# Altium PCB ALCT_MEZ_SPARTAN6T.PcbDoc (part 6 of 12)
Units mil, origin at the board's own origin, x right, y up, seen from the top; angles counter-clockwise.
Board outline 4100 x 5351.19 mil, 12 copper layers (Top Layer, Mid-Layer 1, +3V3, Mid-Layer 2, +1V2, Mid-Layer 4, +1V8, Mid-Layer 5, GND1, Mid-Layer 7, GND2, Bottom Layer), stack 64.7 mil thick; 320 components, 598 nets, 2316 pads, 1572 vias.
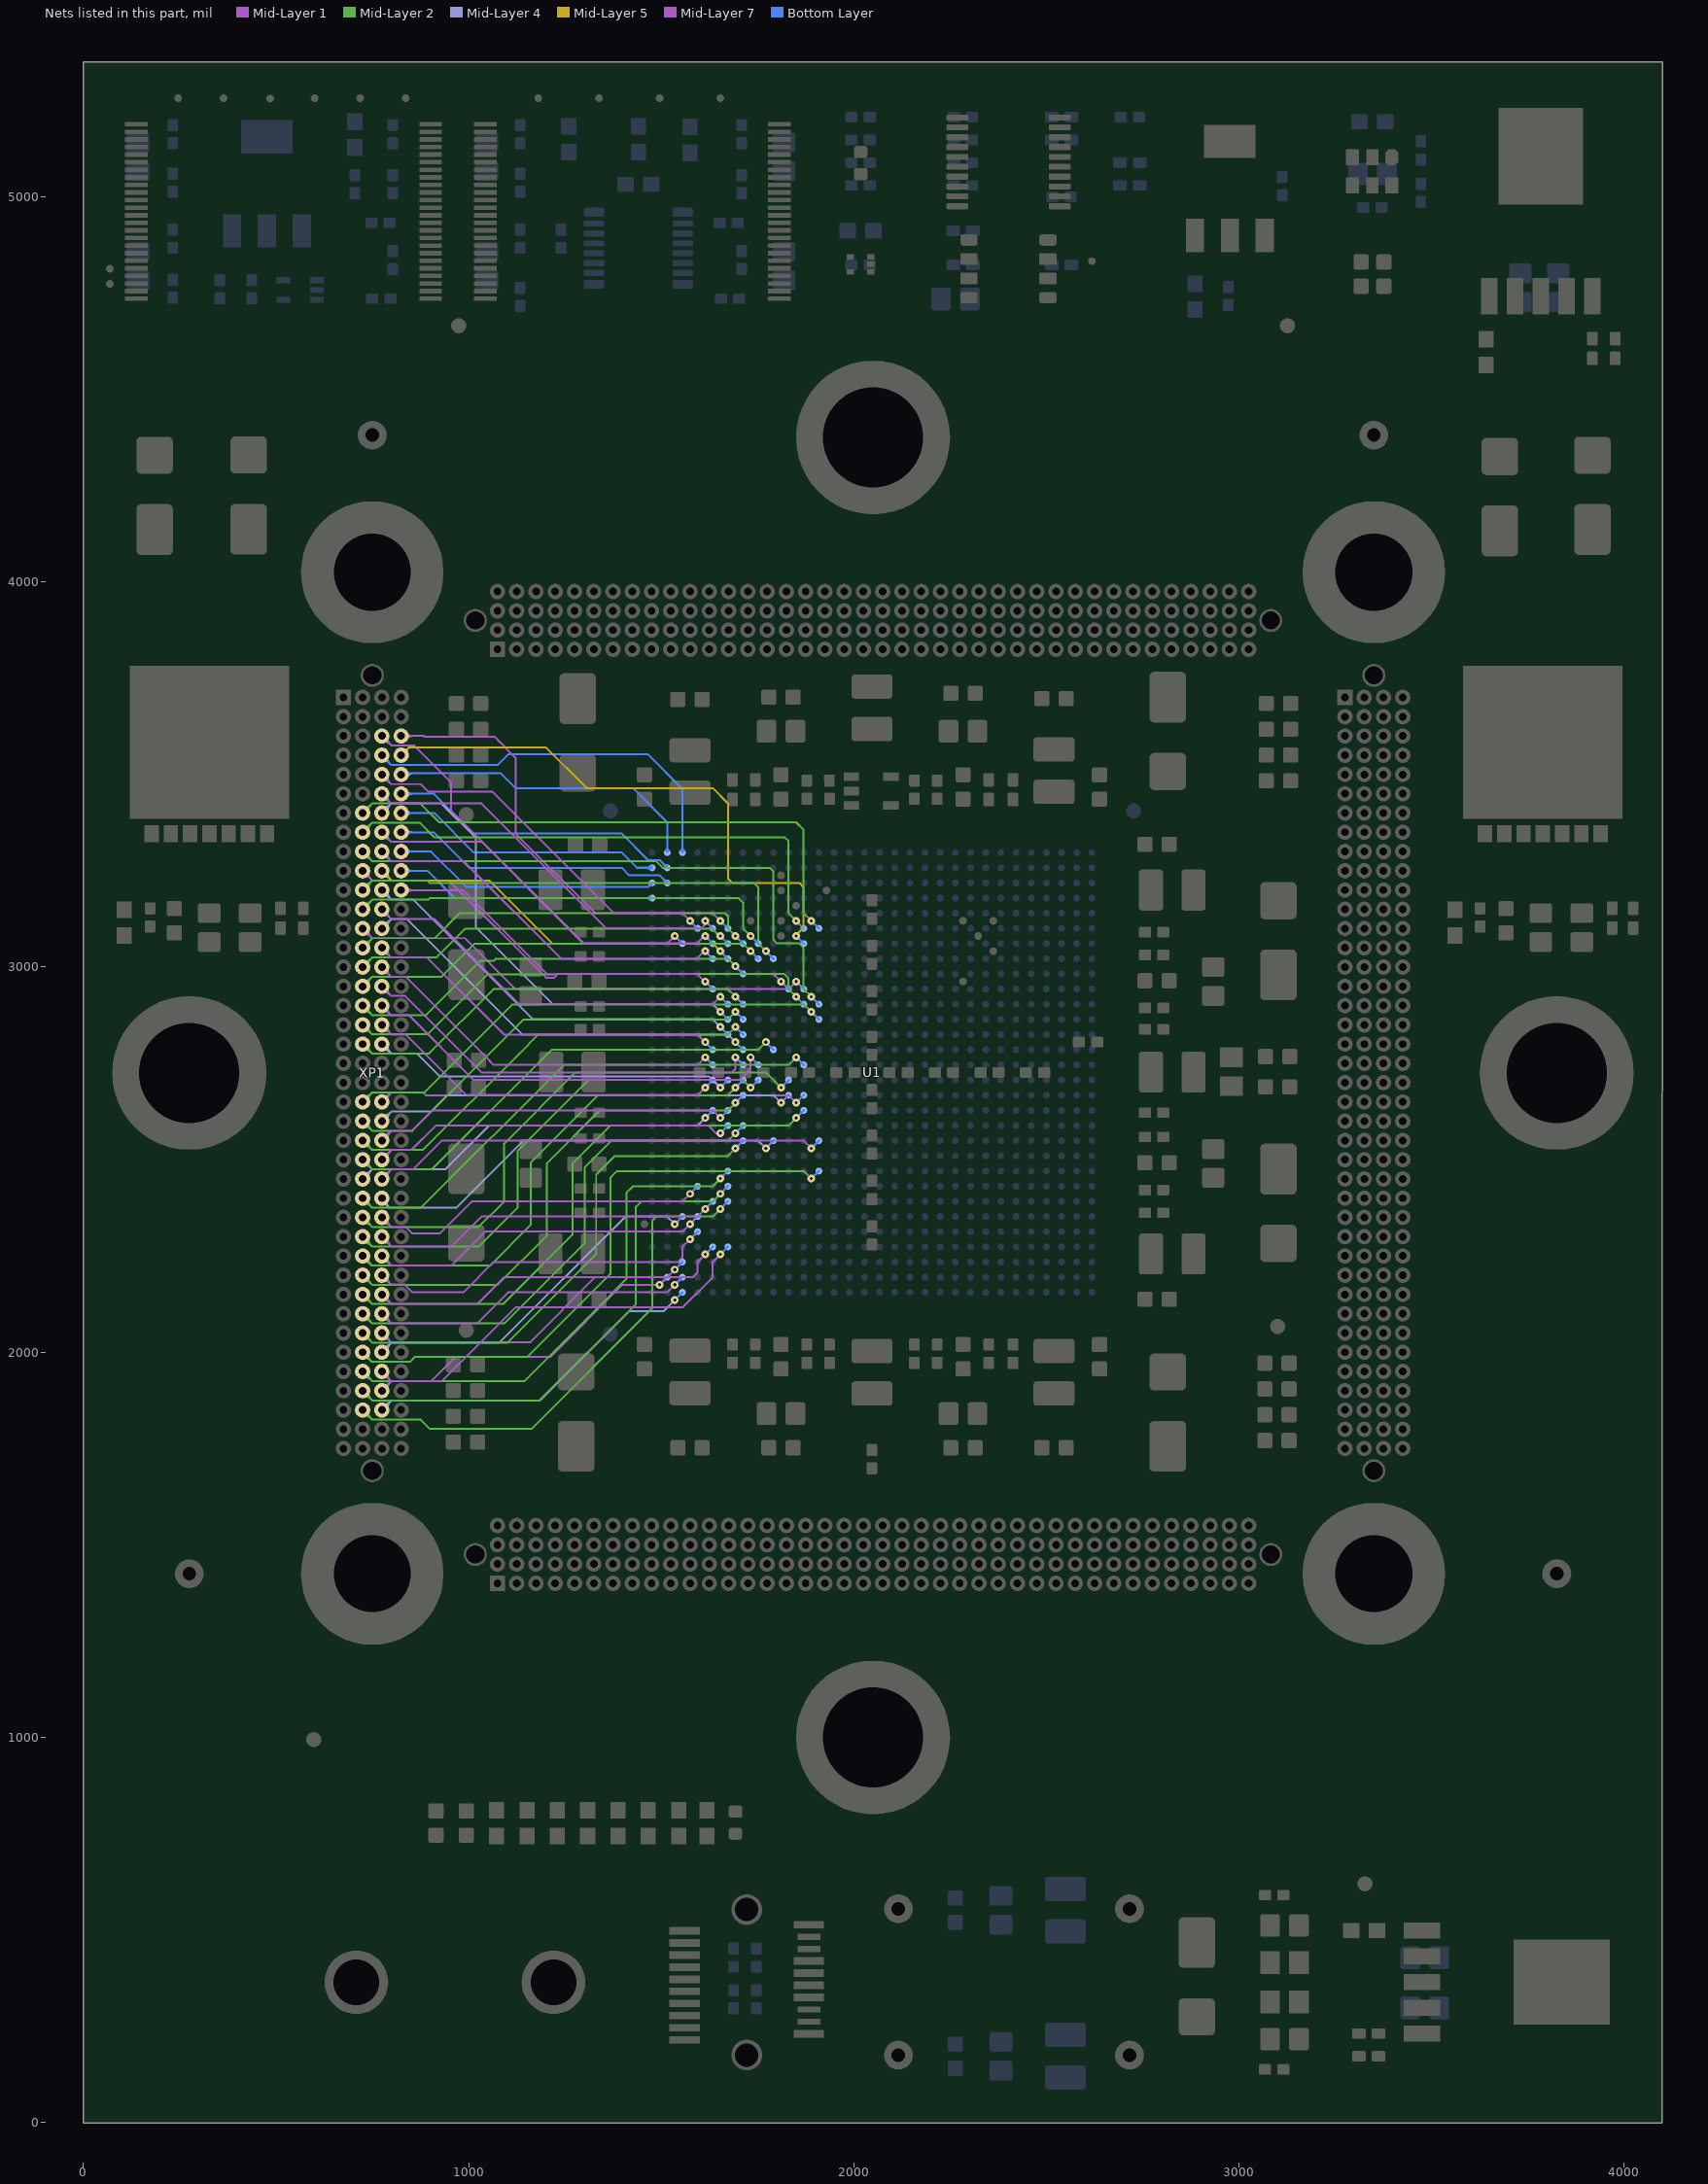
[diagram p16: the nets of this part, all layers, seen from the top]

## Via types
v1: diameter 20, hole 8, Top Layer to Bottom Layer, tented both sides, 1562 vias
v2: diameter 40, hole 20, Top Layer to Bottom Layer, 6 vias
v3: diameter 40, hole 20, Top Layer to Bottom Layer, tented both sides, 4 vias

## Nets (pads, with @x,y where several pads share a name; then routed paths per layer and width w, separated by ;. In a path a pad name is that pad's centre, name@x,y a point inside that pad or via, vN(x,y) a via of type N, cw(c..) or ccw(c..) an arc to the next point about the centre after c; other vN are vias at no path point) (continued)
XP1B_7: U1.W25 XP1.B7 | length 1623.8
  Mid-Layer 2 w5: XP1.B7@725,3408.5 ccw(c725,3429.02) 739.51,3414.51 ; XP1.B7@725,3413.5 ccw(c725,3446.09) 748.04,3423.04 ccw(c771.09,3400) XP1.B7@738.5,3400 ; XP1.B7@725,3400 750,3425 874.98,3425 924,3375.98 1850.39,3375.98 1869.91,3356.47 1869.91,3139.93 v1(1889.78,3120.06) ; XP1.B7@725,3408.5 ccw(c725,3429.02) 739.51,3414.51 ; XP1.B7@725,3413.5 ccw(c725,3446.09) 748.05,3423.05 ccw(c771.09,3400) XP1.B7@738.5,3400 ; XP1.B7@733.5,3400 cw(c754.02,3400) 739.51,3414.51 ; XP1.B7@733.5,3400 cw(c754.02,3400) 739.51,3414.51
  Mid-Layer 2 w5.88: XP1.B7@725,3398.82 XP1.B7@725.59,3399.41
  Bottom Layer w6: v1(1889.78,3120.06) U1.W25@1909.45,3100.39
XP1B_8: U1.Y25 XP1.B8 | length 1546.4
  Mid-Layer 2 w5: XP1.B8@725,3358.5 ccw(c725,3379.02) 739.51,3364.51 ; XP1.B8@725,3363.5 ccw(c725,3396.09) 748.04,3373.04 ccw(c771.09,3350) XP1.B8@738.5,3350 ; XP1.B8@725,3348.82 XP1.B8@725.59,3349.41 ; XP1.B8@725,3350 750,3375 873.3,3375 911.69,3336.61 1820.87,3336.61 1830.54,3326.94 1830.54,3139.91 v1(1850.39,3120.06) ; XP1.B8@725,3358.5 ccw(c725,3379.02) 739.51,3364.51 ; XP1.B8@725,3363.5 ccw(c725,3396.09) 748.05,3373.05 ccw(c771.09,3350) XP1.B8@738.5,3350 ; XP1.B8@733.5,3350 cw(c754.02,3350) 739.51,3364.51 ; XP1.B8@733.5,3350 cw(c754.02,3350) 739.51,3364.51
  Bottom Layer w6: v1(1850.39,3120.06) U1.Y25@1870.08,3100.39
XP1B_9: U1.W20 XP1.B9 | length 1681.7
  Mid-Layer 2 w5: XP1.B9@725,3286.5 cw(c725,3253.91) 748.04,3276.96 ; XP1.B9@725,3291.5 cw(c725,3270.98) 739.51,3285.49 ; XP1.B9@725,3286.5 cw(c725,3253.91) 748.05,3276.95 ; XP1.B9@725,3291.5 cw(c725,3270.98) 739.51,3285.49 ; XP1.B9@725,3300 749.5,3275.5 1485.82,3275.5 1503.63,3257.69 1781.86,3257.69 1791.52,3248.03 1791.52,3070.69 1801.01,3061.2 1858.1,3061.2 1869.89,3049.41 1869.89,2943.08 v1(1889.78,2923.19) ; XP1.B9@733.5,3300 ccw(c754.02,3300) 739.51,3285.49 ; XP1.B9@733.5,3300 ccw(c754.02,3300) 739.51,3285.49 ; XP1.B9@738.5,3300 ccw(c771.09,3300) 748.04,3276.96 ; XP1.B9@738.5,3300 ccw(c771.09,3300) 748.05,3276.95
  Bottom Layer w6: v1(1889.78,2923.19) U1.W20@1909.46,2903.51
XP1B_10: U1.AA21 XP1.B10 | length 1407.8
  Mid-Layer 7 w5: XP1.B10@725,3236.5 cw(c725,3203.91) 748.04,3226.96 ; XP1.B10@725,3241.5 cw(c725,3220.98) 739.51,3235.49 ; XP1.B10@725,3236.5 cw(c725,3203.91) 748.05,3226.95 ; XP1.B10@725,3241.5 cw(c725,3220.98) 739.51,3235.49 ; XP1.B10@725,3250 750,3225 948.23,3225 1200.79,2972.44 1222.42,2972.44 1232.08,2982.1 1791.52,2982.1 v1(1811.03,2962.6) ; XP1.B10@733.5,3250 ccw(c754.02,3250) 739.51,3235.49 ; XP1.B10@733.5,3250 ccw(c754.02,3250) 739.51,3235.49 ; XP1.B10@738.5,3250 ccw(c771.09,3250) 748.04,3226.96 ; XP1.B10@738.5,3250 ccw(c771.09,3250) 748.05,3226.95
  Bottom Layer w6: v1(1811.03,2962.6) U1.AA21@1830.71,2942.91
XP1B_11: U1.AB23 XP1.B11 | length 1414
  Mid-Layer 2 w5: XP1.B11@725,3208.5 ccw(c725,3229.02) 739.51,3214.51 ; XP1.B11@725,3213.5 ccw(c725,3246.09) 748.04,3223.04 ccw(c771.09,3200) XP1.B11@738.5,3200 ; XP1.B11@725,3198.82 XP1.B11@725.59,3199.41 ; XP1.B11@725,3200 750,3225 892.13,3225 898.62,3218.5 1740.18,3218.5 1752.15,3206.53 1752.15,3060.84 v1(1771.66,3041.33) ; XP1.B11@725,3208.5 ccw(c725,3229.02) 739.51,3214.51 ; XP1.B11@725,3213.5 ccw(c725,3246.09) 748.05,3223.05 ccw(c771.09,3200) XP1.B11@738.5,3200 ; XP1.B11@733.5,3200 cw(c754.02,3200) 739.51,3214.51 ; XP1.B11@733.5,3200 cw(c754.02,3200) 739.51,3214.51
  Bottom Layer w6: v1(1771.66,3041.33) U1.AB23@1791.34,3021.65
XP1B_12: U1.AC24 XP1.B12 | length 1294.7
  Mid-Layer 2 w5: XP1.B12@725,3158.5 ccw(c725,3179.02) 739.51,3164.51 ; XP1.B12@725,3163.5 ccw(c725,3196.09) 748.04,3173.04 ccw(c771.09,3150) XP1.B12@738.5,3150 ; XP1.B12@725,3148.82 XP1.B12@725.59,3149.41 ; XP1.B12@725,3150 750,3175 895.67,3175 899.62,3178.95 1701,3178.95 1712.43,3167.52 1712.43,3100.56 v1(1732.29,3080.7) ; XP1.B12@725,3158.5 ccw(c725,3179.02) 739.51,3164.51 ; XP1.B12@725,3163.5 ccw(c725,3196.09) 748.05,3173.05 ccw(c771.09,3150) XP1.B12@738.5,3150 ; XP1.B12@733.5,3150 cw(c754.02,3150) 739.51,3164.51 ; XP1.B12@733.5,3150 cw(c754.02,3150) 739.51,3164.51
  Bottom Layer w6: v1(1732.29,3080.7) U1.AC24@1751.98,3061.01
XP1B_13: U1.Y21 XP1.B13 | length 1393.3
  Mid-Layer 7 w5: XP1.B13@725,3086.5 cw(c725,3053.91) 748.04,3076.96 ; XP1.B13@725,3091.5 cw(c725,3070.98) 739.51,3085.49 ; XP1.B13@725,3086.5 cw(c725,3053.91) 748.05,3076.95 ; XP1.B13@725,3091.5 cw(c725,3070.98) 739.51,3085.49 ; XP1.B13@725,3100 750,3075 989.96,3075 1122.05,2942.91 1830.71,2942.91 v1(1850.39,2962.6) ; XP1.B13@733.5,3100 ccw(c754.02,3100) 739.51,3085.49 ; XP1.B13@733.5,3100 ccw(c754.02,3100) 739.51,3085.49 ; XP1.B13@738.5,3100 ccw(c771.09,3100) 748.04,3076.96 ; XP1.B13@738.5,3100 ccw(c771.09,3100) 748.05,3076.95
  Bottom Layer w6: v1(1850.39,2962.6) U1.Y21@1870.08,2942.91
XP1B_14: U1.AD24 XP1.B14 | length 1244.1
  Mid-Layer 2 w5: XP1.B14@725,3058.5 ccw(c725,3079.02) 739.51,3064.51 ; XP1.B14@725,3063.5 ccw(c725,3096.09) 748.04,3073.04 ccw(c771.09,3050) XP1.B14@738.5,3050 ; XP1.B14@725,3048.82 XP1.B14@725.59,3049.41 ; XP1.B14@725,3050 750,3075 912.11,3075 977.05,3139.95 1665.66,3139.95 1673.23,3132.38 1673.23,3110.4 1673.06,3110.24 1673.06,3100.56 v1(1692.93,3080.7) ; XP1.B14@725,3058.5 ccw(c725,3079.02) 739.51,3064.51 ; XP1.B14@725,3063.5 ccw(c725,3096.09) 748.05,3073.05 ccw(c771.09,3050) XP1.B14@738.5,3050 ; XP1.B14@733.5,3050 cw(c754.02,3050) 739.51,3064.51 ; XP1.B14@733.5,3050 cw(c754.02,3050) 739.51,3064.51
  Bottom Layer w6: v1(1692.93,3080.7) U1.AD24@1712.61,3061.01
XP1B_15: U1.AE24 XP1.B15 | length 1173.7
  Mid-Layer 2 w5: XP1.B15@725,3008.5 ccw(c725,3029.02) 739.51,3014.51 ; XP1.B15@725,3013.5 ccw(c725,3046.09) 748.04,3023.04 ccw(c771.09,3000) XP1.B15@738.5,3000 ; XP1.B15@725,2998.82 XP1.B15@725.59,2999.41 ; XP1.B15@725,3000 750,3025 916.24,3025 991.46,3100.22 1631.51,3100.22 1651.03,3080.7 v1(1653.56,3080.7) ; XP1.B15@725,3008.5 ccw(c725,3029.02) 739.51,3014.51 ; XP1.B15@725,3013.5 ccw(c725,3046.09) 748.05,3023.05 ccw(c771.09,3000) XP1.B15@738.5,3000 ; XP1.B15@733.5,3000 cw(c754.02,3000) 739.51,3014.51 ; XP1.B15@733.5,3000 cw(c754.02,3000) 739.51,3014.51
  Bottom Layer w6: v1(1653.56,3080.7) U1.AE24@1673.24,3061.01
XP1B_16: U1.AC23 XP1.B16 | length 1256.8
  Mid-Layer 2 w5: XP1.B16@725,2958.5 ccw(c725,2979.02) 739.51,2964.51 ; XP1.B16@725,2963.5 ccw(c725,2996.09) 748.04,2973.04 ccw(c771.09,2950) XP1.B16@738.5,2950 ; XP1.B16@725,2948.82 XP1.B16@725.59,2949.41 ; XP1.B16@725,2950 750,2975 930.22,2975 1016.05,3060.84 1712.79,3060.84 v1(1732.29,3041.33) ; XP1.B16@725,2958.5 ccw(c725,2979.02) 739.51,2964.51 ; XP1.B16@725,2963.5 ccw(c725,2996.09) 748.05,2973.05 ccw(c771.09,2950) XP1.B16@738.5,2950 ; XP1.B16@733.5,2950 cw(c754.02,2950) 739.51,2964.51 ; XP1.B16@733.5,2950 cw(c754.02,2950) 739.51,2964.51
  Bottom Layer w6: v1(1732.29,3041.33) U1.AC23@1751.98,3021.64
XP1B_17: U1.AD22 XP1.B17 | length 1241.3
  Mid-Layer 2 w5: XP1.B17@725,2886.5 cw(c725,2853.91) 748.04,2876.96 ; XP1.B17@725,2891.5 cw(c725,2870.98) 739.51,2885.49 ; XP1.B17@725,2886.5 cw(c725,2853.91) 748.05,2876.95 ; XP1.B17@725,2891.5 cw(c725,2870.98) 739.51,2885.49 ; XP1.B17@725,2900 749.5,2875.5 889.77,2875.5 1031.19,3016.92 1066.15,3016.92 1070.7,3021.47 1673.42,3021.47 v1(1692.93,3001.96) ; XP1.B17@733.5,2900 ccw(c754.02,2900) 739.51,2885.49 ; XP1.B17@733.5,2900 ccw(c754.02,2900) 739.51,2885.49 ; XP1.B17@738.5,2900 ccw(c771.09,2900) 748.04,2876.96 ; XP1.B17@738.5,2900 ccw(c771.09,2900) 748.05,2876.95
  Bottom Layer w6: v1(1692.93,3001.96) U1.AD22@1712.6,2982.28
XP1B_18: U1.Y20 XP1.B18 | length 1435.7
  Mid-Layer 2 w5: XP1.B18@725,2836.5 cw(c725,2803.91) 748.04,2826.96 ; XP1.B18@725,2841.5 cw(c725,2820.98) 739.51,2835.49 ; XP1.B18@725,2836.5 cw(c725,2803.91) 748.05,2826.95 ; XP1.B18@725,2841.5 cw(c725,2820.98) 739.51,2835.49 ; XP1.B18@725,2850 749.5,2825.5 893.91,2825.5 1048.91,2980.5 1226.58,2980.5 1228.18,2982.1 1819.1,2982.1 1830.53,2970.67 1830.53,2943.06 v1(1850.4,2923.19) ; XP1.B18@733.5,2850 ccw(c754.02,2850) 739.51,2835.49 ; XP1.B18@733.5,2850 ccw(c754.02,2850) 739.51,2835.49 ; XP1.B18@738.5,2850 ccw(c771.09,2850) 748.04,2826.96 ; XP1.B18@738.5,2850 ccw(c771.09,2850) 748.05,2826.95
  Bottom Layer w6: v1(1850.4,2923.19) U1.Y20@1870.08,2903.51
XP1B_19: U1.AD20 XP1.B19 | length 1250.1
  Mid-Layer 2 w5: XP1.B19@725,2786.5 cw(c725,2753.91) 748.04,2776.96 ; XP1.B19@725,2791.5 cw(c725,2770.98) 739.51,2785.49 ; XP1.B19@725,2786.5 cw(c725,2753.91) 748.05,2776.95 ; XP1.B19@725,2791.5 cw(c725,2770.98) 739.51,2785.49 ; XP1.B19@725,2800 749.5,2775.5 897.53,2775.5 1064.77,2942.74 1673.39,2942.74 v1(1692.93,2923.19) ; XP1.B19@733.5,2800 ccw(c754.02,2800) 739.51,2785.49 ; XP1.B19@733.5,2800 ccw(c754.02,2800) 739.51,2785.49 ; XP1.B19@738.5,2800 ccw(c771.09,2800) 748.04,2776.96 ; XP1.B19@738.5,2800 ccw(c771.09,2800) 748.05,2776.95
  Bottom Layer w6: v1(1692.93,2923.19) U1.AD20@1712.61,2903.51
XP1B_22: U1.W19 XP1.B22 | length 1472.5
  Mid-Layer 2 w5: XP1.B22@725,2658.5 ccw(c725,2679.02) 739.51,2664.51 ; XP1.B22@725,2663.5 ccw(c725,2696.09) 748.04,2673.04 ccw(c771.09,2650) XP1.B22@738.5,2650 ; XP1.B22@725,2650 750,2675 885.61,2675 1113.97,2903.36 1870.26,2903.36 v1(1889.78,2883.84) ; XP1.B22@725,2658.5 ccw(c725,2679.02) 739.51,2664.51 ; XP1.B22@725,2663.5 ccw(c725,2696.09) 748.05,2673.05 ccw(c771.09,2650) XP1.B22@738.5,2650 ; XP1.B22@733.5,2650 cw(c754.02,2650) 739.51,2664.51 ; XP1.B22@733.5,2650 cw(c754.02,2650) 739.51,2664.51
  Bottom Layer w6: v1(1889.78,2883.84) U1.W19@1909.45,2864.17
XP1B_23: U1.AD19 XP1.B23 | length 1300.9
  Mid-Layer 2 w5: XP1.B23@725,2586.5 cw(c725,2553.91) 748.04,2576.96 ; XP1.B23@725,2591.5 cw(c725,2570.98) 739.51,2585.49 ; XP1.B23@725,2586.5 cw(c725,2553.91) 748.05,2576.95 ; XP1.B23@725,2591.5 cw(c725,2570.98) 739.51,2585.49 ; XP1.B23@725,2600 750,2575 854.51,2575 1143.51,2864 1673.09,2864 v1(1692.93,2883.84) ; XP1.B23@733.5,2600 ccw(c754.02,2600) 739.51,2585.49 ; XP1.B23@733.5,2600 ccw(c754.02,2600) 739.51,2585.49 ; XP1.B23@738.5,2600 ccw(c771.09,2600) 748.04,2576.96 ; XP1.B23@738.5,2600 ccw(c771.09,2600) 748.05,2576.95
  Bottom Layer w6: v1(1692.93,2883.84) U1.AD19@1712.6,2864.17
XP1B_24: U1.AD18 XP1.B24 | length 1305.3
  Mid-Layer 2 w5: XP1.B24@725,2536.5 cw(c725,2503.91) 748.04,2526.96 ; XP1.B24@725,2541.5 cw(c725,2520.98) 739.51,2535.49 ; XP1.B24@725,2536.5 cw(c725,2503.91) 748.05,2526.95 ; XP1.B24@725,2541.5 cw(c725,2520.98) 739.51,2535.49 ; XP1.B24@725,2550 750,2525 881.3,2525 1130.11,2773.81 1180.9,2824.62 1673.07,2824.62 v1(1692.93,2844.48) ; XP1.B24@733.5,2550 ccw(c754.02,2550) 739.51,2535.49 ; XP1.B24@733.5,2550 ccw(c754.02,2550) 739.51,2535.49 ; XP1.B24@738.5,2550 ccw(c771.09,2550) 748.04,2526.96 ; XP1.B24@738.5,2550 ccw(c771.09,2550) 748.05,2526.95
  Bottom Layer w6: v1(1692.93,2844.48) U1.AD18@1712.6,2824.8
XP1B_25: U1.AB17 XP1.B25 | length 1388.4
  Mid-Layer 2 w5: XP1.B25@725,2486.5 cw(c725,2453.91) 748.04,2476.96 ; XP1.B25@725,2491.5 cw(c725,2470.98) 739.51,2485.49 ; XP1.B25@725,2486.5 cw(c725,2453.91) 748.05,2476.95 ; XP1.B25@725,2491.5 cw(c725,2470.98) 739.51,2485.49 ; XP1.B25@725,2500 750,2475 905.12,2475 1215.37,2785.26 1751.8,2785.26 v1(1771.66,2805.11) ; XP1.B25@733.5,2500 ccw(c754.02,2500) 739.51,2485.49 ; XP1.B25@733.5,2500 ccw(c754.02,2500) 739.51,2485.49 ; XP1.B25@738.5,2500 ccw(c771.09,2500) 748.04,2476.96 ; XP1.B25@738.5,2500 ccw(c771.09,2500) 748.05,2476.95
  Bottom Layer w6: v1(1771.66,2805.11) U1.AB17@1791.34,2785.43
XP1B_26: U1.AF13 XP1.B26 | length 1149.4
  Mid-Layer 4 w5: XP1.B26@725,2458.5 ccw(c725,2479.02) 739.51,2464.51 ; XP1.B26@725,2463.5 ccw(c725,2496.09) 748.04,2473.04 ccw(c771.09,2450) XP1.B26@738.5,2450 ; XP1.B26@725,2450 750,2475 939.57,2475 1053.15,2588.58 1594.5,2588.58 v1(1614.18,2608.26) ; XP1.B26@725,2458.5 ccw(c725,2479.02) 739.51,2464.51 ; XP1.B26@725,2463.5 ccw(c725,2496.09) 748.05,2473.05 ccw(c771.09,2450) XP1.B26@738.5,2450 ; XP1.B26@733.5,2450 cw(c754.02,2450) 739.51,2464.51 ; XP1.B26@733.5,2450 cw(c754.02,2450) 739.51,2464.51
  Bottom Layer w6: v1(1614.18,2608.26) U1.AF13@1633.86,2627.95
XP1B_27: U1.Y16 XP1.B27 | length 1491.9
  Mid-Layer 2 w5: XP1.B27@725,2386.5 cw(c725,2353.91) 748.04,2376.96 ; XP1.B27@725,2391.5 cw(c725,2370.98) 739.51,2385.49 ; XP1.B27@725,2386.5 cw(c725,2353.91) 748.05,2376.95 ; XP1.B27@725,2391.5 cw(c725,2370.98) 739.51,2385.49 ; XP1.B27@725,2400 749.5,2375.5 876.98,2375.5 1247.54,2746.06 1830.71,2746.06 v1(1850.39,2765.75) ; XP1.B27@733.5,2400 ccw(c754.02,2400) 739.51,2385.49 ; XP1.B27@733.5,2400 ccw(c754.02,2400) 739.51,2385.49 ; XP1.B27@738.5,2400 ccw(c771.09,2400) 748.04,2376.96 ; XP1.B27@738.5,2400 ccw(c771.09,2400) 748.05,2376.95
  Bottom Layer w6: v1(1850.39,2765.75) U1.Y16@1870.08,2746.06
XP1B_28: U1.AA15 XP1.B28 | length 1561.6
  Mid-Layer 2 w5: XP1.B28@725,2336.5 cw(c725,2303.91) 748.04,2326.96 ; XP1.B28@725,2341.5 cw(c725,2320.98) 739.51,2335.49 ; XP1.B28@725,2336.5 cw(c725,2303.91) 748.05,2326.95 ; XP1.B28@725,2341.5 cw(c725,2320.98) 739.51,2335.49 ; XP1.B28@725,2350 750,2325 1025.79,2325 1092.33,2391.55 1092.33,2541.65 1277.06,2726.37 1771.65,2726.37 v1(1811.03,2686.99) ; XP1.B28@733.5,2350 ccw(c754.02,2350) 739.51,2335.49 ; XP1.B28@733.5,2350 ccw(c754.02,2350) 739.51,2335.49 ; XP1.B28@738.5,2350 ccw(c771.09,2350) 748.04,2326.96 ; XP1.B28@738.5,2350 ccw(c771.09,2350) 748.05,2326.95
  Bottom Layer w6: v1(1811.03,2686.99) U1.AA15@1830.71,2706.69
XP1B_29: U1.AC15 XP1.B29 | length 1486.1
  Mid-Layer 2 w5: XP1.B29@725,2286.5 cw(c725,2256.74) 746.04,2277.78 ccw(c725,2256.76) XP1.B29@725,2286.5 ; XP1.B29@725,2291.5 cw(c725,2273.81) 737.5,2286.32 ; XP1.B29@725,2291.5 cw(c725,2273.83) 737.5,2286.33 ; XP1.B29@725,2300 725,2298.82 748.82,2275 ; XP1.B29@733.5,2299.99 ccw(c756.74,2299.96) 740.3,2283.52 cw(c756.73,2299.94) XP1.B29@733.5,2299.98 ; XP1.B29@738.5,2299.98 ccw(c773.75,2299.93) 748.82,2275 ; XP1.B29@738.5,2299.98 ccw(c773.73,2299.91) 748.82,2275 ; v1(1732.29,2686.99) 1712.66,2706.62 1310.94,2706.62 1126.97,2522.66 1126.97,2375.02 1026.95,2275 748.82,2275
  Bottom Layer w6: v1(1732.29,2686.99) U1.AC15@1751.98,2706.68
XP1B_30: U1.AD15 XP1.B30 | length 1459.3
  Mid-Layer 2 w5: XP1.B30@725,2236.5 cw(c725,2206.74) 746.04,2227.78 ccw(c725,2206.76) XP1.B30@725,2236.5 ; XP1.B30@725,2241.5 cw(c725,2223.81) 737.5,2236.32 ; XP1.B30@725,2241.5 cw(c725,2223.83) 737.5,2236.33 ; XP1.B30@725,2250 725,2248.82 748.82,2225 ; XP1.B30@733.5,2249.99 ccw(c756.74,2249.96) 740.3,2233.52 cw(c756.73,2249.94) XP1.B30@733.5,2249.98 ; XP1.B30@738.5,2249.98 ccw(c773.75,2249.93) 748.82,2225 ; XP1.B30@738.5,2249.98 ccw(c773.73,2249.91) 748.82,2225 ; v1(1692.93,2686.99) 1673.07,2667.14 1336.45,2667.14 1161.42,2492.11 1161.42,2330.73 1055.69,2225 748.82,2225
  Bottom Layer w6: v1(1692.93,2686.99) U1.AD15@1712.6,2706.69
XP1B_31: U1.AD14 XP1.B31 | length 1478.6
  Mid-Layer 2 w5: XP1.B31@725,2186.5 cw(c725,2153.91) 748.04,2176.96 ; XP1.B31@725,2191.5 cw(c725,2170.98) 739.51,2185.49 ; XP1.B31@725,2186.5 cw(c725,2153.91) 748.05,2176.95 ; XP1.B31@725,2191.5 cw(c725,2170.98) 739.51,2185.49 ; XP1.B31@725,2200 750,2175 1075.1,2175 1203.25,2303.15 1203.25,2490.67 1340.36,2627.78 1673.07,2627.78 v1(1692.93,2647.63) ; XP1.B31@733.5,2200 ccw(c754.02,2200) 739.51,2185.49 ; XP1.B31@733.5,2200 ccw(c754.02,2200) 739.51,2185.49 ; XP1.B31@738.5,2200 ccw(c771.09,2200) 748.04,2176.96 ; XP1.B31@738.5,2200 ccw(c771.09,2200) 748.05,2176.95
  Bottom Layer w6: v1(1692.93,2647.63) U1.AD14@1712.61,2667.31
XP1B_32: U1.Y13 XP1.B32 | length 1639
  Mid-Layer 2 w5: XP1.B32@725,2136.5 cw(c725,2103.91) 748.04,2126.96 ; XP1.B32@725,2141.5 cw(c725,2120.98) 739.51,2135.49 ; XP1.B32@725,2136.5 cw(c725,2103.91) 748.05,2126.95 ; XP1.B32@725,2141.5 cw(c725,2120.98) 739.51,2135.49 ; XP1.B32@725,2150 750,2125 1089.59,2125 1269.5,2304.91 1269.5,2489.97 1367.93,2588.4 1830.53,2588.4 v1(1850.39,2608.26) ; XP1.B32@733.5,2150 ccw(c754.02,2150) 739.51,2135.49 ; XP1.B32@733.5,2150 ccw(c754.02,2150) 739.51,2135.49 ; XP1.B32@738.5,2150 ccw(c771.09,2150) 748.04,2126.96 ; XP1.B32@738.5,2150 ccw(c771.09,2150) 748.05,2126.95
  Bottom Layer w6: v1(1850.39,2608.26) U1.Y13@1870.08,2627.95
XP1B_33: U1.AD12 XP1.B33 | length 1492.9
  Mid-Layer 2 w5: XP1.B33@725,2086.5 cw(c725,2053.91) 748.04,2076.96 ; XP1.B33@725,2091.5 cw(c725,2070.98) 739.51,2085.49 ; XP1.B33@725,2086.5 cw(c725,2053.91) 748.05,2076.95 ; XP1.B33@725,2091.5 cw(c725,2070.98) 739.51,2085.49 ; XP1.B33@725,2100 750,2075 1093.21,2075 1301.67,2283.46 1301.67,2480.32 1370.39,2549.04 1673.07,2549.04 v1(1692.93,2568.89) ; XP1.B33@733.5,2100 ccw(c754.02,2100) 739.51,2085.49 ; XP1.B33@733.5,2100 ccw(c754.02,2100) 739.51,2085.49 ; XP1.B33@738.5,2100 ccw(c771.09,2100) 748.04,2076.96 ; XP1.B33@738.5,2100 ccw(c771.09,2100) 748.05,2076.95
  Bottom Layer w6: v1(1692.93,2568.89) U1.AD12@1712.6,2588.58
XP1B_34: U1.AD11 XP1.B34 | length 1503
  Mid-Layer 2 w5: XP1.B34@725,2036.5 cw(c725,2003.91) 748.04,2026.96 ; XP1.B34@725,2041.5 cw(c725,2020.98) 739.51,2035.49 ; XP1.B34@725,2036.5 cw(c725,2003.91) 748.05,2026.95 ; XP1.B34@725,2041.5 cw(c725,2020.98) 739.51,2035.49 ; XP1.B34@725,2050 750,2025 1101.75,2025 1331.2,2254.45 1331.2,2461.14 1379.72,2509.66 1395.87,2509.66 1673.06,2509.66 v1(1692.93,2529.53) ; XP1.B34@733.5,2050 ccw(c754.02,2050) 739.51,2035.49 ; XP1.B34@733.5,2050 ccw(c754.02,2050) 739.51,2035.49 ; XP1.B34@738.5,2050 ccw(c771.09,2050) 748.04,2026.96 ; XP1.B34@738.5,2050 ccw(c771.09,2050) 748.05,2026.95
  Bottom Layer w6: v1(1692.93,2529.53) U1.AD11@1712.6,2549.21
XP1B_35: U1.W9 XP1.B35 | length 1730.2
  Mid-Layer 2 w5: XP1.B35@725,1986.5 cw(c725,1956.74) 746.04,1977.78 ccw(c725,1956.76) XP1.B35@725,1986.5 ; XP1.B35@725,1991.5 cw(c725,1973.81) 737.5,1986.32 ; XP1.B35@725,1991.5 cw(c725,1973.83) 737.5,1986.33 ; XP1.B35@725,2000 725,1998.82 748.82,1975 ; XP1.B35@733.5,1999.99 ccw(c756.74,1999.96) 740.3,1983.52 cw(c756.73,1999.94) XP1.B35@733.5,1999.98 ; XP1.B35@738.5,1999.98 ccw(c773.75,1999.93) 748.82,1975 ; XP1.B35@738.5,1999.98 ccw(c773.73,1999.91) 748.82,1975 ; v1(1889.78,2450.78) 1870.26,2470.3 1385.16,2470.3 1368.3,2453.43 1368.3,2202.96 1153.53,1988.19 861.22,1988.19 848.03,1975 748.82,1975
  Bottom Layer w6: v1(1889.78,2450.78) U1.W9@1909.45,2470.47
XP1B_36: U1.AE9 XP1.B36 | length 1482.9
  Mid-Layer 2 w5: XP1.B36@725,1936.5 cw(c725,1903.91) 748.04,1926.96 ; XP1.B36@725,1941.5 cw(c725,1920.98) 739.51,1935.49 ; XP1.B36@725,1936.5 cw(c725,1903.91) 748.05,1926.95 ; XP1.B36@725,1941.5 cw(c725,1920.98) 739.51,1935.49 ; XP1.B36@725,1950 750,1925 1145.49,1925 1368.3,2147.8 1368.3,2148.32 1409.94,2189.96 1409.94,2413.88 1426.98,2430.92 1633.7,2430.92 v1(1653.56,2450.78) ; XP1.B36@733.5,1950 ccw(c754.02,1950) 739.51,1935.49 ; XP1.B36@733.5,1950 ccw(c754.02,1950) 739.51,1935.49 ; XP1.B36@738.5,1950 ccw(c771.09,1950) 748.04,1926.96 ; XP1.B36@738.5,1950 ccw(c771.09,1950) 748.05,1926.95
  Bottom Layer w6: v1(1653.56,2450.78) U1.AE9@1673.23,2470.47
XP1B_37: U1.AE8 XP1.B37 | length 1503.4
  Mid-Layer 2 w5: XP1.B37@725,1886.5 cw(c725,1853.91) 748.04,1876.96 ; XP1.B37@725,1891.5 cw(c725,1870.98) 739.51,1885.49 ; XP1.B37@725,1886.5 cw(c725,1853.91) 748.05,1876.95 ; XP1.B37@725,1891.5 cw(c725,1870.98) 739.51,1885.49 ; XP1.B37@725,1900 750,1875 1184.07,1875 1434.55,2125.47 1434.55,2377.48 1448.62,2391.56 1633.7,2391.56 v1(1653.56,2411.41) ; XP1.B37@733.5,1900 ccw(c754.02,1900) 739.51,1885.49 ; XP1.B37@733.5,1900 ccw(c754.02,1900) 739.51,1885.49 ; XP1.B37@738.5,1900 ccw(c771.09,1900) 748.04,1876.96 ; XP1.B37@738.5,1900 ccw(c771.09,1900) 748.05,1876.95
  Bottom Layer w6: v1(1653.56,2411.41) U1.AE8@1673.23,2431.1
XP1B_38: U1.AE7 XP1.B38 | length 1512.5
  Mid-Layer 2 w5: XP1.B38@725,1836.5 cw(c725,1803.91) 748.04,1826.96 ; XP1.B38@725,1841.5 cw(c725,1820.98) 739.51,1835.49 ; XP1.B38@725,1836.5 cw(c725,1803.91) 748.05,1826.95 ; XP1.B38@725,1841.5 cw(c725,1820.98) 739.51,1835.49 ; XP1.B38@725,1850 750,1825 875.98,1825 899.8,1801.18 1163.37,1801.18 1476.38,2114.19 1476.38,2340.57 1487.99,2352.19 1633.7,2352.19 v1(1653.56,2372.04) ; XP1.B38@733.5,1850 ccw(c754.02,1850) 739.51,1835.49 ; XP1.B38@733.5,1850 ccw(c754.02,1850) 739.51,1835.49 ; XP1.B38@738.5,1850 ccw(c771.09,1850) 748.04,1826.96 ; XP1.B38@738.5,1850 ccw(c771.09,1850) 748.05,1826.95